# Altium PCB Computer_Board.PcbDoc (part 3 of 5)
Units mm, origin at the board's own origin, x right, y up, seen from the top; angles counter-clockwise.
Board outline 210 x 125 mm, 4 copper layers (Top Layer, Layer 1, Layer 2, Bottom Layer), stack 1.571 mm thick; 443 components, 406 nets, 2112 pads, 1064 vias.
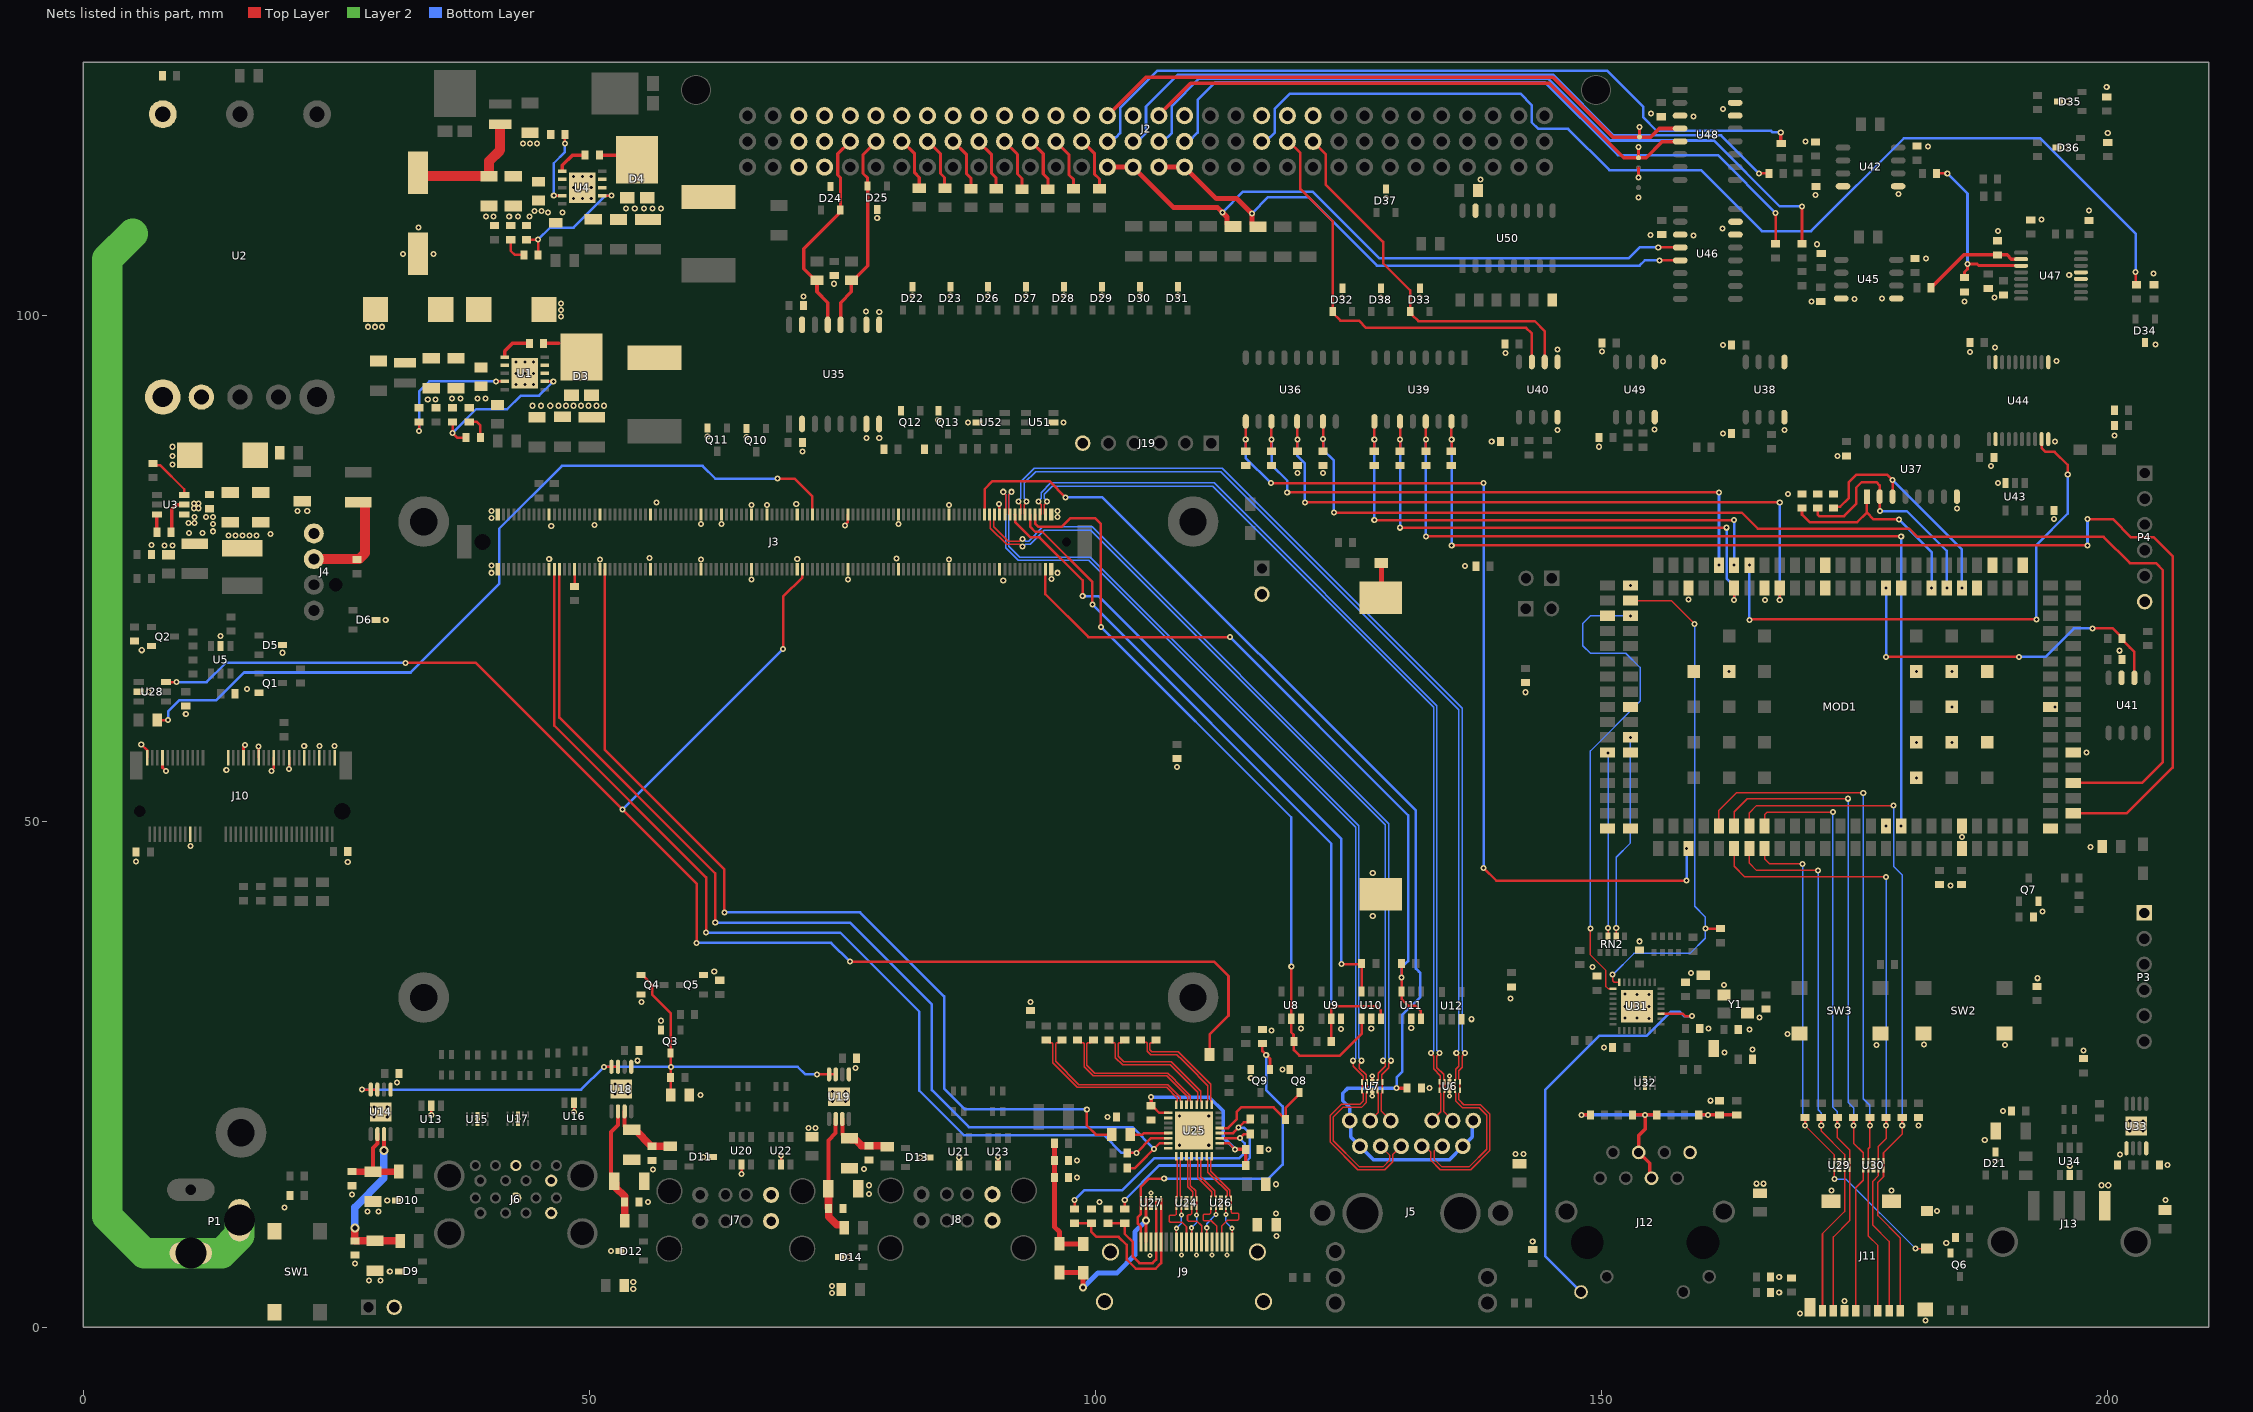
[diagram p5: the nets of this part, all layers, seen from the top]

## Via types
v1: diameter 0.6, hole 0.3, Top Layer to Bottom Layer, tented both sides, 853 vias
v2: diameter 0.6, hole 0.3, Top Layer to Bottom Layer, 91 vias
v3: diameter 0.6, hole 0.25, Top Layer to Bottom Layer, tented both sides, 88 vias
v4: diameter 0.5, hole 0.2, Top Layer to Bottom Layer, tented both sides, 20 vias
v5: diameter 0.45, hole 0.2, Top Layer to Bottom Layer, tented both sides, 5 vias
v6: diameter 0.8, hole 0.4, Top Layer to Bottom Layer, tented both sides, 4 vias
v7: diameter 0.9, hole 0.5, Top Layer to Bottom Layer, tented both sides, 3 vias

## Nets (pads, with @x,y where several pads share a name; then routed paths per layer and width w, separated by ;. In a path a pad name is that pad's centre, name@x,y a point inside that pad or via, vN(x,y) a via of type N, cw(c..) or ccw(c..) an arc to the next point about the centre after c; other vN are vias at no path point) (continued)
CANH: D24.2 J2.B5 R84.1 U35.13 | length 21.3
  Top Layer w0.3: R84.1@72.325,103.45 R84.1@72.5,103.45 ; D24.2@74.8,110.4 74.8,113.6 74.55,113.85 74.55,115.95 75.76,117.16 J2.B5@75.79,117.16
  Top Layer w0.35: R84.1@72.325,103.45 71.2,104.575 71.2,106.55 74.8,110.15 D24.2@74.8,110.4 ; R84.1@72.5,103.45 72.5,102.3 73.565,101.235 U35.13@73.565,99.05
CANL: D25.2 J2.B6 R87.2 U35.12 | length 20
  Top Layer w0.3: D25.2@77.5,112.75 77.5,113.55 77.05,114 77.05,115.85 78.33,117.13 J2.B6@78.33,117.16
  Top Layer w0.35: U35.12@74.835,99.05 74.835,101.235 75.9,102.3 R87.2@75.9,103.45 76.075,103.45 77.5,104.875 D25.2@77.5,112.75
CB_RESET#: J3.B50 R37.1 U28.6 | length 161.6
  Top Layer w0.25: U28.6@8.2,63.75 v1(9.25,63.75) ; v1(31.85,65.65) 38.8,65.65 v1(53.3,51.15) 60.6,43.85 v1(60.6,38) ; v1(69.15,67) 69.15,72.2 71.05,74.1 J3.B50@71.05,74.9 ; v1(75.75,36.15) 111.7,36.15 113.15,34.7 113.15,30.8 111.275,28.925 R37.1@111.275,26.95
  Bottom Layer w0.25: v1(9.25,63.75) 12.2,63.75 14.1,65.65 v1(31.85,65.65) ; v1(53.3,51.15) v1(69.15,67) ; v1(60.6,38) 73.9,38 v1(75.75,36.15)
CRITICAL_TEMP: MOD1.153 R106.2 U41.6 | length 36.1
  Top Layer w0.25: v1(178.1,66.25) v1(191.22,66.25) ; v1(198.5,69.05) 200.5,69.05 201.4,68.15 R106.2@201.4,68.05 201.4,67.95 202.2,67.15 202.635,66.715 U41.6@202.635,64.175
  Bottom Layer w0.25: v1(178.1,66.25) 178.1,67.25 v1(178.1,73.05) ; v1(191.22,66.25) 193.85,66.25 196.65,69.05 v1(198.5,69.05)
CRS_DV: MOD1.28 RN2.2 | length 20.2
  Top Layer w0.15: RN2.2@151.45,38.65 v1(151.45,39.45)
  Bottom Layer w0.15: v1(151.45,39.45) 151.45,46.45 152.85,47.85 v1(152.85,58.3)
CS_MUX_0: MOD1.150 R94.1 U37.1 | length 20.9
  Top Layer w0.25: R94.1@169.8,80.95 169.8,80.3 170.55,79.55 175.26,79.55 176.205,80.495 ; U37.1@176.205,82.075 176.205,80.495 ; v1(179.375,79.825) 176.875,79.825 176.205,80.495
  Bottom Layer w0.25: v1(179.375,79.825) 182.6,76.6 v1(182.6,73.05)
CS_MUX_1: MOD1.149 R95.1 U37.2 | length 23.7
  Top Layer w0.25: R95.1@171.35,80.95 171.35,80.296 171.496,80.15 173.95,80.15 175.15,81.35 175.15,82.95 175.7,83.5 177.15,83.5 177.475,83.175 U37.2@177.475,82.075 177.487,82.063 177.487,80.663 v1(177.5,80.65)
  Bottom Layer w0.25: v1(177.5,80.65) 180.15,80.65 184.1,76.7 v1(184.1,73.05)
CS_MUX_2: MOD1.148 R96.1 U37.3 | length 23.5
  Top Layer w0.25: R96.1@172.9,80.95 173.029,81.079 173.579,81.079 174.4,81.9 174.4,83.45 175.2,84.25 178.2,84.25 v1(178.75,83.7) 178.747,83.697 178.747,82.078 U37.3@178.745,82.075
  Bottom Layer w0.25: v1(178.75,83.7) 185.6,76.85 v1(185.6,73.05)
DDC_AUX_SEL: J3.B95 R43.1 | length 1.7
  Top Layer w0.25: R43.1@48.55,73.2 J3.B95@48.55,74.9
DGND: BT1.2 C2.2 C3.2 C4.2 C5.2 C6.2 C7.2 C8.2 C9.2 C10.2 C11.2 C13.2 C14.2 C15.2 C16.2 C17.2 C18.2 C30.2 C31.1 C32.1 C33.2 C34.2 C35.1 C36.1 C37.2 C38.1 C39.1 C40.2 C41.2 C42.2 C43.2 C44.1 C45.1 C46.1 C47.1 C48.1 C49.1 C54.2 C55.2 C60.1 C61.1 C62.2 C63.1 C64.1 C65.1 C66.1 C67.1 C68.1 C69.1 C70.1 C71.1 C72.1 C73.1 C74.1 C75.1 C76.1 C77.2 C78.1 C79.2 C80.2 C81.2 C82.2 C83.2 C84.2 C85.1 C86.2 C87.2 C90.2 C91.1 C92.2 C93.1 C95.1 C102.1 C122.1 C124.1 C125.1 C126.2 C127.2 C128.2 D3.1 D3.2 D5.3 D6.3 D8.1 D9.3 D10.3 D11.3 D12.3 D13.3 D14.3 D21.3 J3.A1 J3.A11 J3.A21 J3.A31 J3.A41 J3.A51 J3.A57 J3.A60 J3.A66 J3.A70 J3.A80 J3.A90 J3.A100 J3.A110 J3.B1 J3.B11 J3.B21 J3.B31 J3.B41 J3.B51 J3.B60 J3.B70 J3.B80 J3.B90 J3.B100 J3.B110 J4.1 J6.4 J6.7 J6.13 J6.16 J7.4 J7.8 J8.4 J8.8 J9.2 J9.5 J9.8 J9.11 J9.17 J10.1 J10.7 J10.18 J10.33 J10.39 J10.45 J10.51 J10.57 J10.63 J10.69 J10.75 J11.6 J11.10 J11.11 J12.8 J13.4 J19.6 J20.2 L7.2 L20.1 MOD1.3 MOD1.17 MOD1.18 MOD1.26 MOD1.29 MOD1.34 MOD1.55 MOD1.75 MOD1.80 MOD1.90 MOD1.102 MOD1.110 MOD1.119 MOD1.121 MOD1.132 MOD1.147 MOD1.152 MOD1.157 MOD1.161 MOD1.166 MOD1.A2 MOD1.B2 MOD1.G2 MOD1.G4 MOD1.G5 MOD1.H2 MOD1.H3 MOD1.H4 MOD1.I2 MOD1.I4 P2.2 P3.1 P4.6 Q1.2 Q2.2 Q3.2 Q4.2 Q5.2 Q6.2 Q7.2 Q8.2 Q9.2 Q10.2 Q11.2 Q12.2 Q13.2 R4.2 R5.2 R8.2 R18.2 R29.2 R30.1 R31.1 R32.1 R33.2 R34.2 R40.2 R55.1 R64.1 R66.2 R67.2 R68.1 R77.2 R78.2 R79.2 R80.2 R82.2 R83.1 R90.2 R91.2 R92.2 R93.2 R94.2 R95.2 R96.2 R101.2 R102.2 R103.2 R104.2 R128.2 R133.2 R134.2 SW1.3 SW1.4 SW2.3 SW2.4 SW3.1 SW3.2 U1.8 U1.11 U2.4 U2.5 U3.1 U5.2 U6.3 U6.8 U7.3 U7.8 U8.3 U9.3 U10.2 U11.2 U12.3 U13.2 U14.1 U14.9 U15.3 U15.8 U16.2 U17.3 U17.8 U18.1 U18.9 U19.1 U19.9 U20.2 U21.2 U22.2 U23.2 U24.3 U24.8 U25.2 U25.8 U25.33 U26.3 U26.8 U27.3 U27.8 U28.2 U29.3 U29.8 U30.3 U30.8 U31.33 U32.3 U32.8 U33.1 U33.4 U33.9 U34.2 U35.2 U35.7 U35.8 U37.8 U38.4 U40.4 U41.7 U43.3 U44.2 U44.10 U49.4 U51.2 U52.2 Y1.2 Y1.4 | length 17.2
  Top Layer w0.15: v4(135,22.85) U6.8@135,23.432 ; U6.3@135,24.268 v4(135,24.85)
  Top Layer w0.25: v1(5.75,57.6) 6.35,57 J10.1@6.35,56.275 ; J10.7@7.85,56.275 7.85,55.3 v1(8.2,54.95) ; J10.39@15.85,56.275 15.85,57.305 16,57.455 v1(16,57.55) ; J10.45@17.35,56.275 v1(17.35,57.4) ; v1(18.6,54.95) 18.6,55.008 18.85,55.258 J10.51@18.85,56.275 ; v1(20.35,55.15) J10.57@20.35,56.275 ; v1(34.4,21) U13.2@34.4,21.9 ; v1(48.5,21.3) U16.2@48.5,22.2 ; v1(65.05,15.15) U20.2@65.05,16.1 ; U22.2@68.95,16.1 v1(68.95,17) ; v1(75.25,79.2) 75.25,79.246 75.525,79.521 75.525,80.275 J3.A41@75.55,80.3 ; U23.2@90.4,16 v1(90.4,16.85) ; v1(90.5,81.35) 90.525,81.325 90.525,80.325 J3.A11@90.55,80.3 ; v4(127.35,22.85) U7.3@127.35,23.414 ; U7.8@127.35,24.25 v4(127.35,24.85)
  other v1: 182,0.7 169.6,1.4 174,2.6 74,3.4 167.55,3.45 54.35,3.8 74,4.1 54.35,4.5 28.25,4.65 29.4,4.65 167.55,5 30.3,5.55 26.85,6.3 75.6,6.95 52.15,7.55 184.05,8.35 143.2,8.5 117.9,9.05 117.85,11.25 28.1,11.45 29.2,11.45 183.15,11.5 19.9,11.85 55.8,12.4 100.4,12.4 30.05,12.55 205.7,12.6 26.55,13.15 77.65,13.2 172.7,13.55 178.65,13.55 77.65,14.05 199.4,14.05 200.05,14.05 117.85,14.15 165.3,14.2 166,14.2 98.2,14.8 56.3,15.6 77.15,15.65 196.25,15.95 205.9,16.05 188.9,16.45 98.2,16.5 82.7,16.8 86.55,16.8 61.3,16.85 201.2,17.1 141.5,17.15 142.3,17.15 117.1,17.6 108.3,18 111.2,18 187.85,18.5 202.175,19.4 109.75,19.45 71.65,19.7 72.35,19.7 181.3,19.95 202.175,20.4 203.475,20.4 28.75,20.8 30.05,20.8 101.2,20.8 108.3,20.9 111.2,20.9 189.65,21.4 30.05,21.8 74.025,22.3 75.325,22.3 160.75,22.4 61,22.95 52.525,23.05 53.825,23.05 75.325,23.3 133,23.65 53.825,24.05 31,24.2 115.35,24.65 118.5,25.5 76.3,25.65 54.75,26.35 162.15,27.15 197.6,27.35 164.9,27.45 150.25,27.65 177.15,27.9 189.85,27.9 181.85,27.95 168.35,29 117.4,29.35 164.6,29.45 124.25,29.5 120.3,29.55 127.25,29.55 160.55,29.55 131.2,29.6 57.1,30.3 137.15,30.45 154.675,30.525 152.3,30.55 153.5,30.55 165.6,30.6 152.325,31.725 153.5,31.725 154.675,31.725 55.15,32.15 93.6,32.15 153.5,32.9 154.7,32.9 152.325,32.925 162.1,33.85 193.05,34.5 158.85,35 62.35,35.15 149.1,35.6 153.75,38.15 127.4,40.65 193.55,41.1 184.45,43.65 127.4,44.9 26.15,46 5.25,46.05 198.3,47.45 10.6,47.55 185.6,48.45 178.1,49.55 181.1,54.3 14.15,55.05 108.05,55.35 197.9,56.8 21.85,57.45 23.35,57.45 24.85,57.45 181.1,57.8 184.6,57.8 10.15,60.6 184.6,61.3 194.8,61.3 6.45,62.8 16.2,63.05 162.6,64.8 181.1,64.8 184.6,64.8 19.7,66.65 201.15,66.85 5.8,66.9 13.6,68.3 29.9,69.9 166.15,71.85 158.6,71.9 152.85,73.3 90.9,73.8 66.05,73.9 75.55,73.9 95.65,73.95 40.35,74.55 96.25,74.55 40.35,75.25 51.05,75.85 61.05,75.85 85.55,75.85 46.05,75.9 70.55,75.9 80.35,75.95 55.95,76 8.05,77.25 8.85,77.25 6.75,77.3 18.5,78.4 10.45,78.5 11.8,78.5 12.85,78.65 46.25,79.15 50.519,79.25 12.85,79.35 61.05,79.35 63.05,79.35 80.55,79.35 10.4,79.475 11,79.475 194.7,79.85 40.35,79.95 96.25,80.05 11,80.075 12.15,80.075 12.85,80.075 21.2,80.65 22.15,80.65 40.35,80.65 96.25,80.65 185.1,80.9 66.05,81.25 67.55,81.25 85.55,81.25 70.45,81.35 56.65,81.5 168.4,82.35 189.15,83.4 119.95,84.4 122.5,84.4 188.45,85.1 8.85,85.25 8.85,86.1 173.3,86.1 71.05,86.55 8.85,87 149.75,87 139.15,87.5 194.8,87.5 77.4,87.85 78.65,87.85 65.55,87.95 61.7,88 200.65,88.1 162,88.3 145.65,88.65 168.05,88.65 155.25,88.7 87.4,89.4 96.85,89.4 84.45,89.65 44.4,91.05 45.25,91.05 46.15,91.05 46.95,91.05 47.7,91.05 48.45,91.05 49.2,91.05 49.95,91.05 50.7,91.05 51.45,91.05 34.05,91.65 34.8,91.65 36.45,91.75 37.3,91.75 38.95,91.75 39.75,91.75 28.15,98.85 28.85,98.85 29.55,98.85 47.2,99.85 47.2,100.5 47.2,101.15
  other v2: 203.475,19.4 28.75,21.8 74.025,23.3 52.525,24.05 141,32.5 142.5,62.75 136.5,75.2 42.75,93.15 43.65,93.15 44.5,93.15 42.75,94.25 43.65,94.25 44.5,94.25 42.75,95.35 43.65,95.35 44.5,95.35
  other v4: 105.4,7.1 108.5,7.15 110,7.15 111.5,7.15 113,7.15 105.5,13.3 38.95,20.6 42.95,20.6
  other v5: 109,12.3 112.4,12.35 173.5,16.05 176.85,16.05 154.3,24.15
EN_USB_5V: C37.1 Q3.3 Q4.1 R27.2 U14.3 U14.4 U18.3 U18.4 U19.3 U19.4 | length 64.1
  Top Layer w0.25: v1(27.55,23.5) U14.4@28.425,23.5 U14.3@29.075,23.5 ; v1(51.45,25.75) U18.4@52.2,25.75 U18.3@52.85,25.75 ; Q4.1@55.1,34.8 55.25,34.8 56.25,33.8 56.25,32.85 58.05,31.05 Q3.3@58.05,27.1 58.055,27.095 58.055,25.755 v1(58.059,25.75) 58.059,22.959 C37.1@58.05,22.95 ; v1(72.5,25) U19.3@74.35,25
  Bottom Layer w0.25: v1(27.55,23.5) 49.2,23.5 v1(51.45,25.75) v1(58.059,25.75) 70.6,25.75 71.35,25 v1(72.5,25)
ESTOP_IN_24V: J2.B21 R105.2 | length 108.6
  Top Layer w0.25: v2(202.75,104.25) 202.75,103.1 R105.2@202.85,103
  Bottom Layer w0.25: J2.B21@116.86,117.198 117.224,117.561 117.261,117.561 117.7,118 117.7,120.35 119.223,121.873 141.977,121.873 143.1,120.75 143.1,119.05 143.75,118.4 146.7,118.4 150.785,114.315 159.835,114.315 165.85,108.3 170.7,108.3 179.85,117.45 193.35,117.45 202.75,108.05 v2(202.75,104.25)
ESTOP_STATE: MOD1.137 U44.9 | length 54.4
  Top Layer w0.25: v1(164.6,69.9) 164.65,69.95 v1(192.95,69.95) ; U44.9@193.475,87.75 193.475,86.875 193.85,86.5 194.75,86.5 196.05,85.2 v1(196.05,84.25)
  Bottom Layer w0.25: v1(164.6,69.9) v1(164.6,75.3) ; v1(192.95,69.95) 192.95,77.287 196.05,80.387 v1(196.05,84.25)
ETH_CT: C31.2 J3.A14 J5.1 J5.6 J5.7 J5.12 | length 114.2
  Top Layer w0.25: J3.A14@89.05,80.3 89.05,82.8 89.85,83.6 95.45,83.6 v1(97.05,82)
  Top Layer w0.35: v1(129.75,23.65) C31.2@130.8,23.65
  Bottom Layer w0.25: v1(97.05,82) 100.7,82 131.65,51.05 131.65,35.45 131.95,35.15 131.954,35.15 132.1,35.004 132.1,32.65 130.3,30.85 130.3,25.25 129.75,24.7 v1(129.75,23.65)
  Bottom Layer w0.35: v1(129.75,23.65) 124.95,23.65 124.45,23.15 124.45,22.4 125.12,21.73 J5.12@125.12,20.44 125.225,20.335 125.225,18.823 126.14,17.908 J5.6@126.14,17.9 127.49,16.55 134.95,16.55 J5.1@136.3,17.9 136.3,17.908 137.215,18.823 137.215,20.335 J5.7@137.32,20.44
EXCD0_PERST#: J3.A48 R47.1 | length 81.9
  Top Layer w0.25: R47.1@7.325,60 v1(8.4,60) ; v1(68.6,83.85) 70.3,83.85 72.05,82.1 J3.A48@72.05,80.3
  Bottom Layer w0.25: v1(8.4,60) 8.4,60.85 9.5,61.95 13.15,61.95 15.9,64.7 32.35,64.7 41.1,73.45 41.1,78.9 47.3,85.1 60.2,85.1 60.25,85.1 61.2,85.1 62.45,83.85 v1(68.6,83.85)
FAN_12V: F7.1 J4.2 R13.2 | length 11
  Top Layer w1: J4.2@22.8,75.9 27.05,75.9 27.264,75.9 27.85,76.486 27.85,81.5 27.825,81.525 F7.1@27.2,81.525
GBE_ACT#: J3.B2 R26.2 U11.3 U11.6 | length 70.3
  Top Layer w0.25: J3.B2@95.05,74.9 95.05,72.45 99.3,68.2 v1@113.3,68.2 ; R26.2@130.25,35.95 v1(130.25,34.575) U11.6@130.25,33.2 130.25,32.45 130.9,31.8 131.6,31.8 132.15,31.25 U11.3@132.15,30.5
  Bottom Layer w0.25: v1(113.315,68.185) 130.9,50.6 130.9,36.2 130.25,35.55 v1(130.25,34.575)
GND: C20.2 C21.2 C22.2 C23.2 C24.2 C25.2 C26.2 C27.2 C28.2 C29.2 C88.2 C89.2 C94.2 C96.2 C97.2 C99.2 C100.2 C101.2 C103.2 C105.1 C106.2 C107.2 C108.2 C109.1 C110.2 C111.2 C112.1 C114.2 C115.2 C116.2 C117.1 C121.2 C123.2 C129.2 C130.2 D4.1 D4.2 D22.3 D23.3 D24.3 D25.3 D26.3 D27.3 D28.3 D29.3 D30.3 D31.3 D32.3 D33.3 D34.3 D35.3 D36.3 D37.3 D38.3 J2.A3 J2.A4 J2.A5 J2.A6 J2.A7 J2.A8 J2.A9 J2.A10 J2.A11 J2.A12 J2.A13 J2.A14 J2.A16 J2.A18 J2.A21 J2.A22 J2.A23 J2.B3 J2.B4 J2.C3 J2.C4 J14.1 J15.1 J16.1 J17.1 P1.2 P1.3 R1.2 R11.2 R12.2 R114.2 U2.3 U4.8 U4.11 U35.9 U35.10 U35.15 U38.5 U40.5 U42.4 U42.5 U44.11 U44.19 U45.4 U45.5 U46.3 U46.14 U46.15 U47.4 U47.5 U48.3 U48.14 U48.15 U49.5 U50.15 | length 114.9
  Layer 2 w0.25: U2.3@7.88,119.85 U2.3@7.89,119.86
  Layer 2 w3: 4.9,108.05 2.4,105.55 2.4,11 6.05,7.35 P1.2@10.65,7.35 13.693,7.35 15.45,9.107 P1.3@15.45,10.6
  other v1: 156.05,95.4 140.5,96.25 186.4,96.35 150.05,96.4 145.65,96.6 188.85,96.8 162,97.05 78.65,100.3 77.35,100.35 170.75,101.35 124.4,101.75 128.2,101.75 132.05,101.75 188.8,101.75 71.15,101.85 81.95,101.95 85.7,101.95 89.4,101.95 93.15,101.95 96.9,101.95 100.65,101.95 104.4,101.95 108.15,101.95 74.2,103.1 31.6,106.05 34.6,106.05 171.3,107 154.85,107.9 33.15,108.65 78.45,109.6 39.8,109.75 40.55,109.75 42.1,109.75 42.95,109.75 44.1,109.75 45.95,110.15 47.35,110.15 44.6,110.3 45.3,110.3 53.65,110.55 54.5,110.55 55.4,110.55 56.25,110.55 57.1,110.55 128.7,111.55 171.15,111.85 179.35,111.95 138.05,113.4 43.45,116.95 44.15,116.95 44.85,116.95
  other v2: 194.95,95.45 204.7,97.1 185.85,101.35 175,101.6 177.7,101.65 196.196,103.95 204.5,104.1 182.05,105.6 159.1,107.85 189.15,108.3 161.95,108.55 193.45,109.45 198.15,110.35 48.45,111.5 49.35,111.5 50.2,111.5 153.65,111.6 48.45,112.6 49.35,112.6 50.2,112.6 153.65,113.6 48.45,113.7 49.35,113.7 50.2,113.7 195.85,116.55 153.65,116.6 182.25,116.65 170.15,117.15 200,118 153.75,118.6 159.1,119.6 154.9,119.9 162,120.35 196,121.1 199.9,122.55
GRN_A: J12.12 U31.3 | length 42.5
  Top Layer w0.25: U31.3@155.875,30.975 158.025,30.975 158.25,30.75 v1(158.95,30.75)
  Bottom Layer w0.25: J12.12@147.975,3.5 144.45,7.025 144.45,23.5 149.75,28.8 154.45,28.8 156.85,31.2 157.7,31.2 158.15,30.75 v1(158.95,30.75)
HDMI_5V: D15.1 D16.1 J9.18 U27.4 U27.7 | length 18.4
  Top Layer w0.25: v6(105,10.55) U27.7@105,11.882 U27.4@105,12.718
  Top Layer w0.3: J9.18@105,8.45 v6(105,10.55)
  Top Layer w0.5: D16.1@96.45,5.425 96.462,5.412 98.788,5.412 D15.1@98.8,5.4 ; v6(98.788,3.938) D15.1@98.788,5.388
  Bottom Layer w0.5: v6(98.788,3.938) 100.25,5.4 102.15,5.4 103.9,7.15 103.9,9.45 v6(105,10.55)
HDMI_CHASSIS: J9.20 R34.1 | length 0.1
  Top Layer w0.75: J9.20@116.55,2.6 J9.20@116.6,2.55
HDMI_CLK_EXT_N: J9.12 U24.2 U24.9 U25.10 | length 8.7
  Top Layer w0.14: U24.9@108.5,12.718 108.5,12.901 108.39,13.011 108.39,14.669 108.39,16.5 108.5,16.61 U25.10@108.5,16.9
  Top Layer w0.15: J9.12@108,8.45 v4(108,9.8) ; v4(108.5,11.1) U24.2@108.5,11.882 U24.9@108.5,12.718
  Bottom Layer w0.15: v4(108,9.8) 108.5,10.3 v4(108.5,11.1)
HDMI_CLK_EXT_P: J9.10 U24.1 U24.10 U25.9 | length 10.5
  Top Layer w0.14: U24.10@108,12.718 108,12.901 108.11,13.011 108.11,14.785 108.11,16.5 108,16.61 U25.9@108,16.9
  Top Layer w0.15: U24.10@108,12.718 U24.1@108,11.882 108,11.188 107.912,11.1 107.388,11.1 107.3,11.012 107.3,10.488 107.388,10.4 108.55,10.4 109,9.95 J9.10@109,8.45
HDMI_CLK_N: C51.2 U25.31 | length 17.1
  Top Layer w0.14: C51.2@96.7,28.4 96.42,28.12 96.147,28.12 96.065,28.038 96.065,26.281 98.346,24 107.141,24 108.39,22.751 108.39,22.4 108.5,22.29 U25.31@108.5,22
HDMI_CLK_P: C50.2 U25.32 | length 17.1
  Top Layer w0.14: C50.2@95.15,28.4 95.43,28.12 95.703,28.12 95.785,28.038 95.785,26.165 98.23,23.72 107.025,23.72 108.11,22.635 108.11,22.4 108,22.29 U25.32@108,22
HDMI_DAT0_EXT_N: J9.9 U24.5 U24.6 U25.12 | length 9
  Top Layer w0.14: U25.12@109.5,16.9 109.5,16.61 109.39,16.5 109.39,14.006 109.89,13.506 109.89,13.011 110,12.901 U24.6@110,12.718
  Top Layer w0.15: J9.9@109.5,8.45 v4(109.5,9.85) ; v4(110,11.1) U24.5@110,11.882 U24.6@110,12.718
  Bottom Layer w0.15: v4(109.5,9.85) 110,10.35 v4(110,11.1)
HDMI_DAT0_EXT_P: J9.7 U24.4 U24.7 U25.11 | length 10.1
  Top Layer w0.14: U25.11@109,16.9 109,16.61 109.11,16.5 109.11,13.89 109.61,13.39 109.61,13.011 109.5,12.901 U24.7@109.5,12.718
  Top Layer w0.15: U24.7@109.5,12.718 U24.4@109.5,11.882 109.5,11.25 109.4,11.15 109.188,11.15 109.1,11.062 109.1,10.588 109.188,10.5 110.05,10.5 110.5,10.05 J9.7@110.5,8.45
HDMI_DAT0_N: C53.2 U25.29 | length 15.4
  Top Layer w0.14: C53.2@99.8,28.4 99.52,28.12 99.247,28.12 99.165,28.038 99.165,25.881 99.916,25.13 107.166,25.13 107.731,24.565 108.098,24.198 109.39,22.906 109.39,22.4 109.5,22.29 U25.29@109.5,22
HDMI_DAT0_P: C52.2 U25.30 | length 15.4
  Top Layer w0.14: C52.2@98.25,28.4 98.53,28.12 98.803,28.12 98.885,28.038 98.885,25.765 99.8,24.85 107.05,24.85 109.11,22.79 109.11,22.4 109,22.29 U25.30@109,22
HDMI_DAT1_EXT_N: J9.6 U25.14 U26.2 U26.9 | length 9.5
  Top Layer w0.14: U25.14@110.5,16.9 110.5,16.61 110.39,16.5 110.39,14.906 110.498,14.798 111.79,13.506 111.79,13.029 111.9,12.919 U26.9@111.9,12.736
  Top Layer w0.15: J9.6@111,8.45 v4(111,9.85) ; v4(111.9,11.15) U26.2@111.9,11.9 U26.9@111.9,12.736
  Bottom Layer w0.15: v4(111,9.85) 111,10.25 v4(111.9,11.15)
HDMI_DAT1_EXT_P: J9.4 U25.13 U26.1 U26.10 | length 10.7
  Top Layer w0.14: U25.13@110,16.9 110,16.61 110.11,16.5 110.11,14.79 110.274,14.626 111.51,13.39 111.51,13.029 111.4,12.919 U26.10@111.4,12.736
  Top Layer w0.15: U26.10@111.4,12.736 U26.1@111.4,11.9 111.4,11.3 111.3,11.2 110.75,11.2 110.65,11.1 110.65,10.638 110.738,10.55 111.45,10.55 112,10 J9.4@112,8.45
HDMI_DAT1_N: C57.2 U25.27 | length 13
  Top Layer w0.14: C57.2@102.9,28.4 102.62,28.12 102.347,28.12 102.265,28.038 102.265,26.781 102.798,26.248 107.498,26.248 107.673,26.073 107.848,25.898 110.39,23.356 110.39,22.4 110.5,22.29 U25.27@110.5,22
HDMI_DAT1_P: C56.2 U25.28 | length 13
  Top Layer w0.14: C56.2@101.35,28.4 101.63,28.12 101.903,28.12 101.985,28.038 101.985,26.665 102.682,25.968 107.382,25.968 110.11,23.24 110.11,22.4 110,22.29 U25.28@110,22
HDMI_DAT2_EXT_N: J9.3 U25.16 U26.5 U26.6 | length 11.3
  Top Layer w0.14: U25.16@111.5,16.9 111.5,16.61 111.39,16.5 111.39,15.456 111.948,14.898 113.29,13.556 113.29,13.029 113.4,12.919 U26.6@113.4,12.736
  Top Layer w0.15: J9.3@112.5,8.45 112.5,10.05 113.05,10.6 114.062,10.6 114.15,10.688 114.15,11.218 114.062,11.306 113.488,11.306 113.4,11.394 U26.5@113.4,11.9 U26.6@113.4,12.736
HDMI_DAT2_EXT_P: J9.1 U25.15 U26.4 U26.7 | length 9.6